# Altium PCB PCB_IC.PcbDoc (part 1 of 4) (continued)
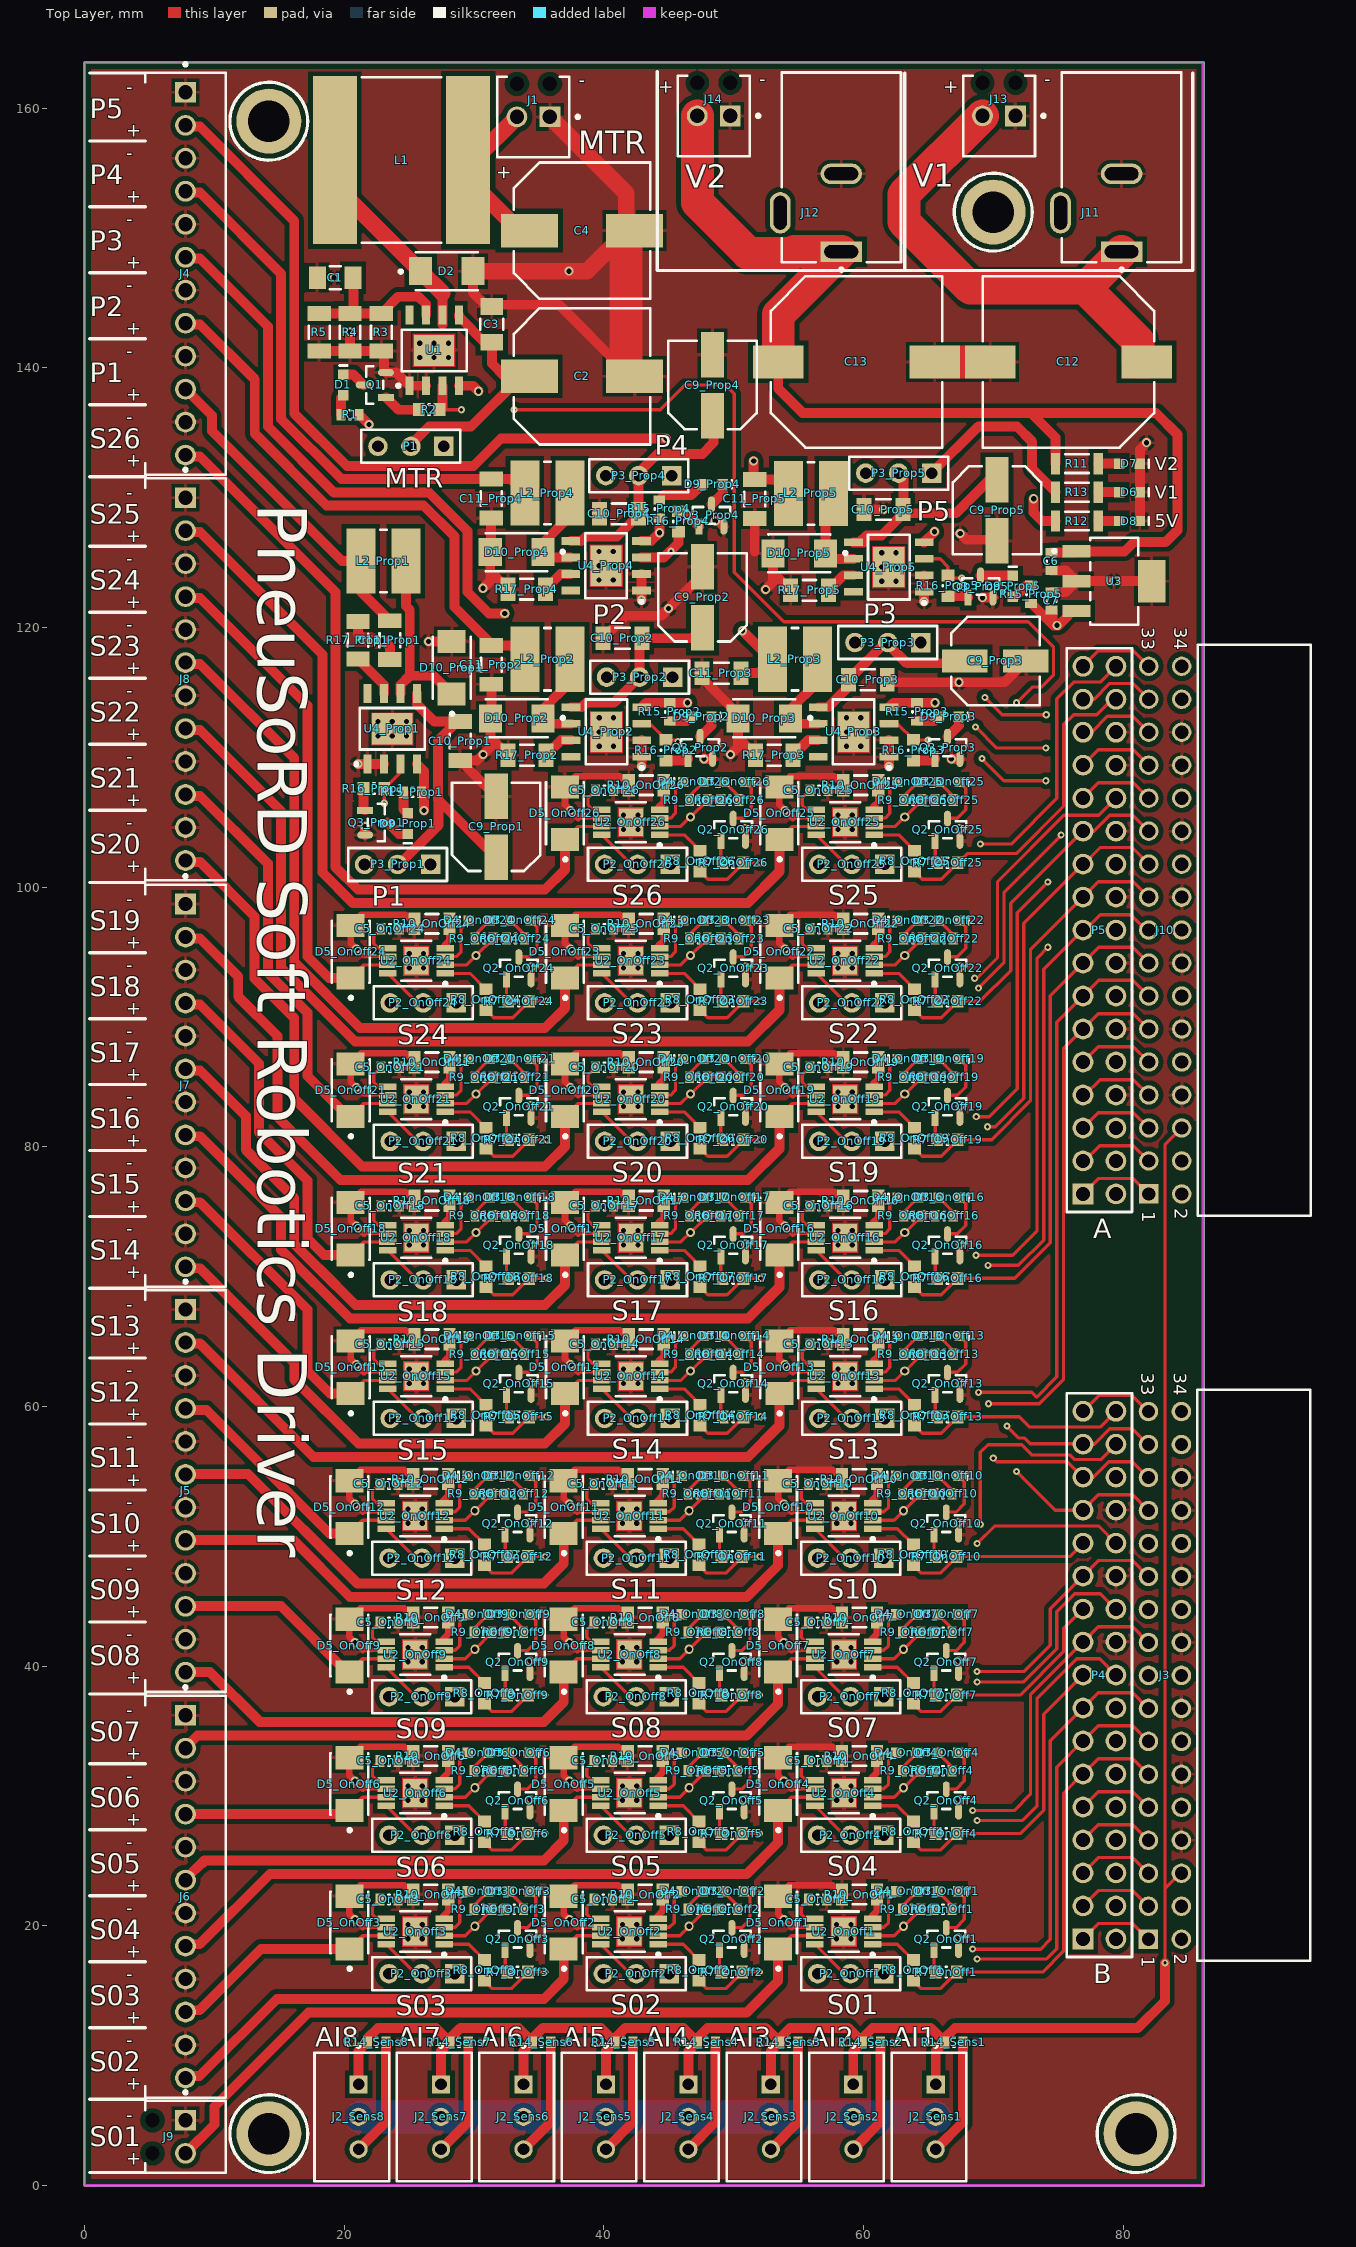
[diagram p0: Top Layer view]
## Classes and differential pairs
net class HC: +5 +12 +24 GND NetC1_1 NetC4_1 NetD2_1 NetD10_Prop1_1 NetD10_Prop2_1 NetD10_Prop3_1 NetD10_Prop4_1 NetD10_Prop5_1 NetR10_OnOff1_2 NetR10_OnOff2_2 NetR10_OnOff3_2 NetR10_OnOff4_2 NetR10_OnOff5_2 NetR10_OnOff6_2 NetR10_OnOff7_2 NetR10_OnOff8_2 NetR10_OnOff9_2 NetR10_OnOff10_2 NetR10_OnOff11_2 NetR10_OnOff12_2 NetR10_OnOff13_2 NetR10_OnOff14_2 NetR10_OnOff15_2 NetR10_OnOff16_2 NetR10_OnOff17_2 NetR10_OnOff18_2 NetR10_OnOff19_2 NetR10_OnOff20_2 NetR10_OnOff21_2 NetR10_OnOff22_2 NetR10_OnOff23_2 NetR10_OnOff24_2 NetR10_OnOff25_2 NetR10_OnOff26_2 NetR17_Prop1_2 NetR17_Prop2_2 NetR17_Prop3_2 NetR17_Prop4_2 NetR17_Prop5_2 SO1 SO2 SO3 SO4 SO5 SO6 SO7 SO8 SO9 SO10 SO11 SO12 SO13 SO14 SO15 SO16 SO17 SO18 SO19 SO20 SO21 SO22 SO23 SO24 SO25 SO26 SP1 SP2 SP3 SP4 SP5 Vcc Vcc_OnOff1 Vcc_OnOff2 Vcc_OnOff3 Vcc_OnOff4 Vcc_OnOff5 Vcc_OnOff6 Vcc_OnOff7 Vcc_OnOff8 Vcc_OnOff9 Vcc_OnOff10 Vcc_OnOff11 Vcc_OnOff12 Vcc_OnOff13 Vcc_OnOff14 Vcc_OnOff15 Vcc_OnOff16 Vcc_OnOff17 Vcc_OnOff18 Vcc_OnOff19 Vcc_OnOff20 Vcc_OnOff21 Vcc_OnOff22 Vcc_OnOff23 Vcc_OnOff24 Vcc_OnOff25 Vcc_OnOff26 Vcc_Prop1 Vcc_Prop2 Vcc_Prop3 Vcc_Prop4 Vcc_Prop5
channel class ProportionalSolenoid: Prop1 Prop2 Prop3 Prop4 Prop5
channel class PressureSensor: Sens1 Sens2 Sens3 Sens4 Sens5 Sens6 Sens7 Sens8
channel class OnOffSolenoid: OnOff1 OnOff2 OnOff3 OnOff4 OnOff5 OnOff6 OnOff7 OnOff8 OnOff9 OnOff10 OnOff11 OnOff12 OnOff13 OnOff14 OnOff15 OnOff16 OnOff17 OnOff18 OnOff19 OnOff20 OnOff21 OnOff22 OnOff23 OnOff24 OnOff25 OnOff26
net class SP[1..5]: SP1 SP2 SP3 SP4 SP5
net class SO[1..26]: SO1 SO2 SO3 SO4 SO5 SO6 SO7 SO8 SO9 SO10 SO11 SO12 SO13 SO14 SO15 SO16 SO17 SO18 SO19 SO20 SO21 SO22 SO23 SO24 SO25 SO26
net class PWM[1..5]: PWM1 PWM2 PWM3 PWM4 PWM5
net class DIO[1..26]: DIO1 DIO2 DIO3 DIO4 DIO5 DIO6 DIO7 DIO8 DIO9 DIO10 DIO11 DIO12 DIO13 DIO14 DIO15 DIO16 DIO17 DIO18 DIO19 DIO20 DIO21 DIO22 DIO23 DIO24 DIO25 DIO26
net class AI[1..8]: AI1 AI2 AI3 AI4 AI5 AI6 AI7 AI8
component class SoftRoboticsToolKit: C12 C13 J3 J4 J5 J6 J7 J8 J9 J10 J11 J12 J13 J14 P4 P5
component class Sens8: J2_Sens8 R14_Sens8
component class Sens7: J2_Sens7 R14_Sens7
component class Sens6: J2_Sens6 R14_Sens6
component class Sens5: J2_Sens5 R14_Sens5
component class Sens4: J2_Sens4 R14_Sens4
component class Sens3: J2_Sens3 R14_Sens3
component class Sens2: J2_Sens2 R14_Sens2
component class Sens1: J2_Sens1 R14_Sens1
component class Prop5: C9_Prop5 C10_Prop5 C11_Prop5 D9_Prop5 D10_Prop5 L2_Prop5 P3_Prop5 Q3_Prop5 R15_Prop5 R16_Prop5 R17_Prop5 U4_Prop5
component class Prop4: C9_Prop4 C10_Prop4 C11_Prop4 D9_Prop4 D10_Prop4 L2_Prop4 P3_Prop4 Q3_Prop4 R15_Prop4 R16_Prop4 R17_Prop4 U4_Prop4
component class Prop3: C9_Prop3 C10_Prop3 C11_Prop3 D9_Prop3 D10_Prop3 L2_Prop3 P3_Prop3 Q3_Prop3 R15_Prop3 R16_Prop3 R17_Prop3 U4_Prop3
component class Prop2: C9_Prop2 C10_Prop2 C11_Prop2 D9_Prop2 D10_Prop2 L2_Prop2 P3_Prop2 Q3_Prop2 R15_Prop2 R16_Prop2 R17_Prop2 U4_Prop2
component class Prop1: C9_Prop1 C10_Prop1 C11_Prop1 D9_Prop1 D10_Prop1 L2_Prop1 P3_Prop1 Q3_Prop1 R15_Prop1 R16_Prop1 R17_Prop1 U4_Prop1
component class PowerSuppply: C6 C7 D6 D7 D8 R11 R12 R13 U3
component class OnOff26: C5_OnOff26 D3_OnOff26 D4_OnOff26 D5_OnOff26 P2_OnOff26 Q2_OnOff26 R6_OnOff26 R7_OnOff26 R8_OnOff26 R9_OnOff26 R10_OnOff26 U2_OnOff26
component class OnOff25: C5_OnOff25 D3_OnOff25 D4_OnOff25 D5_OnOff25 P2_OnOff25 Q2_OnOff25 R6_OnOff25 R7_OnOff25 R8_OnOff25 R9_OnOff25 R10_OnOff25 U2_OnOff25
component class OnOff24: C5_OnOff24 D3_OnOff24 D4_OnOff24 D5_OnOff24 P2_OnOff24 Q2_OnOff24 R6_OnOff24 R7_OnOff24 R8_OnOff24 R9_OnOff24 R10_OnOff24 U2_OnOff24
component class OnOff23: C5_OnOff23 D3_OnOff23 D4_OnOff23 D5_OnOff23 P2_OnOff23 Q2_OnOff23 R6_OnOff23 R7_OnOff23 R8_OnOff23 R9_OnOff23 R10_OnOff23 U2_OnOff23
component class OnOff22: C5_OnOff22 D3_OnOff22 D4_OnOff22 D5_OnOff22 P2_OnOff22 Q2_OnOff22 R6_OnOff22 R7_OnOff22 R8_OnOff22 R9_OnOff22 R10_OnOff22 U2_OnOff22
component class OnOff21: C5_OnOff21 D3_OnOff21 D4_OnOff21 D5_OnOff21 P2_OnOff21 Q2_OnOff21 R6_OnOff21 R7_OnOff21 R8_OnOff21 R9_OnOff21 R10_OnOff21 U2_OnOff21
component class OnOff20: C5_OnOff20 D3_OnOff20 D4_OnOff20 D5_OnOff20 P2_OnOff20 Q2_OnOff20 R6_OnOff20 R7_OnOff20 R8_OnOff20 R9_OnOff20 R10_OnOff20 U2_OnOff20
component class OnOff19: C5_OnOff19 D3_OnOff19 D4_OnOff19 D5_OnOff19 P2_OnOff19 Q2_OnOff19 R6_OnOff19 R7_OnOff19 R8_OnOff19 R9_OnOff19 R10_OnOff19 U2_OnOff19
component class OnOff18: C5_OnOff18 D3_OnOff18 D4_OnOff18 D5_OnOff18 P2_OnOff18 Q2_OnOff18 R6_OnOff18 R7_OnOff18 R8_OnOff18 R9_OnOff18 R10_OnOff18 U2_OnOff18
component class OnOff17: C5_OnOff17 D3_OnOff17 D4_OnOff17 D5_OnOff17 P2_OnOff17 Q2_OnOff17 R6_OnOff17 R7_OnOff17 R8_OnOff17 R9_OnOff17 R10_OnOff17 U2_OnOff17
component class OnOff16: C5_OnOff16 D3_OnOff16 D4_OnOff16 D5_OnOff16 P2_OnOff16 Q2_OnOff16 R6_OnOff16 R7_OnOff16 R8_OnOff16 R9_OnOff16 R10_OnOff16 U2_OnOff16
component class OnOff15: C5_OnOff15 D3_OnOff15 D4_OnOff15 D5_OnOff15 P2_OnOff15 Q2_OnOff15 R6_OnOff15 R7_OnOff15 R8_OnOff15 R9_OnOff15 R10_OnOff15 U2_OnOff15
component class OnOff14: C5_OnOff14 D3_OnOff14 D4_OnOff14 D5_OnOff14 P2_OnOff14 Q2_OnOff14 R6_OnOff14 R7_OnOff14 R8_OnOff14 R9_OnOff14 R10_OnOff14 U2_OnOff14
component class OnOff13: C5_OnOff13 D3_OnOff13 D4_OnOff13 D5_OnOff13 P2_OnOff13 Q2_OnOff13 R6_OnOff13 R7_OnOff13 R8_OnOff13 R9_OnOff13 R10_OnOff13 U2_OnOff13
component class OnOff12: C5_OnOff12 D3_OnOff12 D4_OnOff12 D5_OnOff12 P2_OnOff12 Q2_OnOff12 R6_OnOff12 R7_OnOff12 R8_OnOff12 R9_OnOff12 R10_OnOff12 U2_OnOff12
component class OnOff11: C5_OnOff11 D3_OnOff11 D4_OnOff11 D5_OnOff11 P2_OnOff11 Q2_OnOff11 R6_OnOff11 R7_OnOff11 R8_OnOff11 R9_OnOff11 R10_OnOff11 U2_OnOff11
component class OnOff10: C5_OnOff10 D3_OnOff10 D4_OnOff10 D5_OnOff10 P2_OnOff10 Q2_OnOff10 R6_OnOff10 R7_OnOff10 R8_OnOff10 R9_OnOff10 R10_OnOff10 U2_OnOff10
component class OnOff9: C5_OnOff9 D3_OnOff9 D4_OnOff9 D5_OnOff9 P2_OnOff9 Q2_OnOff9 R6_OnOff9 R7_OnOff9 R8_OnOff9 R9_OnOff9 R10_OnOff9 U2_OnOff9
component class OnOff8: C5_OnOff8 D3_OnOff8 D4_OnOff8 D5_OnOff8 P2_OnOff8 Q2_OnOff8 R6_OnOff8 R7_OnOff8 R8_OnOff8 R9_OnOff8 R10_OnOff8 U2_OnOff8
component class OnOff7: C5_OnOff7 D3_OnOff7 D4_OnOff7 D5_OnOff7 P2_OnOff7 Q2_OnOff7 R6_OnOff7 R7_OnOff7 R8_OnOff7 R9_OnOff7 R10_OnOff7 U2_OnOff7
component class OnOff6: C5_OnOff6 D3_OnOff6 D4_OnOff6 D5_OnOff6 P2_OnOff6 Q2_OnOff6 R6_OnOff6 R7_OnOff6 R8_OnOff6 R9_OnOff6 R10_OnOff6 U2_OnOff6
component class OnOff5: C5_OnOff5 D3_OnOff5 D4_OnOff5 D5_OnOff5 P2_OnOff5 Q2_OnOff5 R6_OnOff5 R7_OnOff5 R8_OnOff5 R9_OnOff5 R10_OnOff5 U2_OnOff5
component class OnOff4: C5_OnOff4 D3_OnOff4 D4_OnOff4 D5_OnOff4 P2_OnOff4 Q2_OnOff4 R6_OnOff4 R7_OnOff4 R8_OnOff4 R9_OnOff4 R10_OnOff4 U2_OnOff4
component class OnOff3: C5_OnOff3 D3_OnOff3 D4_OnOff3 D5_OnOff3 P2_OnOff3 Q2_OnOff3 R6_OnOff3 R7_OnOff3 R8_OnOff3 R9_OnOff3 R10_OnOff3 U2_OnOff3
component class OnOff2: C5_OnOff2 D3_OnOff2 D4_OnOff2 D5_OnOff2 P2_OnOff2 Q2_OnOff2 R6_OnOff2 R7_OnOff2 R8_OnOff2 R9_OnOff2 R10_OnOff2 U2_OnOff2
component class OnOff1: C5_OnOff1 D3_OnOff1 D4_OnOff1 D5_OnOff1 P2_OnOff1 Q2_OnOff1 R6_OnOff1 R7_OnOff1 R8_OnOff1 R9_OnOff1 R10_OnOff1 U2_OnOff1
component class Designator: C1 C2 C3 C4 D1 D2 J1 L1 P1 Q1 R1 R2 R3 R4 R5 U1

## Components (designator, comment, footprint, x,y, rotation, side; value= is the part's Value field where it differs from the comment)
C1 "100nF 50V 1206" FP-CL31-IPC_B 19.313,146.947 r180 top
C2 "220uF 50V Poly" CAPAE127P600-8N 38.324,139.351 r0 top
C3 "100nF 50V 1206" FP-CL31-IPC_B 31.378,143.351 r90 top
C4 "220uF 50V Poly" CAPAE127P600-8N 38.324,150.571 r0 top
C5_OnOff1 "10nF 50V" CAPC0603(1608)100_L 56.472,22.033 r180 top value=10nF (schematic designator C5)
C5_OnOff2 "10nF 50V" CAPC0603(1608)100_L 39.962,22.033 r180 top value=10nF (schematic designator C5)
C5_OnOff3 "10nF 50V" CAPC0603(1608)100_L 23.452,22.033 r180 top value=10nF (schematic designator C5)
C5_OnOff4 "10nF 50V" CAPC0603(1608)100_L 56.472,32.701 r180 top value=10nF (schematic designator C5)
C5_OnOff5 "10nF 50V" CAPC0603(1608)100_L 39.962,32.701 r180 top value=10nF (schematic designator C5)
C5_OnOff6 "10nF 50V" CAPC0603(1608)100_L 23.452,32.701 r180 top value=10nF (schematic designator C5)
C5_OnOff7 "10nF 50V" CAPC0603(1608)100_L 56.472,43.369 r180 top value=10nF (schematic designator C5)
C5_OnOff8 "10nF 50V" CAPC0603(1608)100_L 39.962,43.369 r180 top value=10nF (schematic designator C5)
C5_OnOff9 "10nF 50V" CAPC0603(1608)100_L 23.452,43.369 r180 top value=10nF (schematic designator C5)
C5_OnOff10 "10nF 50V" CAPC0603(1608)100_L 56.472,54.037 r180 top value=10nF (schematic designator C5)
C5_OnOff11 "10nF 50V" CAPC0603(1608)100_L 39.962,54.037 r180 top value=10nF (schematic designator C5)
C5_OnOff12 "10nF 50V" CAPC0603(1608)100_L 23.452,54.037 r180 top value=10nF (schematic designator C5)
C5_OnOff13 "10nF 50V" CAPC0603(1608)100_L 56.568,64.801 r180 top value=10nF (schematic designator C5)
C5_OnOff14 "10nF 50V" CAPC0603(1608)100_L 40.058,64.801 r180 top value=10nF (schematic designator C5)
C5_OnOff15 "10nF 50V" CAPC0603(1608)100_L 23.548,64.801 r180 top value=10nF (schematic designator C5)
C5_OnOff16 "10nF 50V" CAPC0603(1608)100_L 56.568,75.469 r180 top value=10nF (schematic designator C5)
C5_OnOff17 "10nF 50V" CAPC0603(1608)100_L 40.058,75.469 r180 top value=10nF (schematic designator C5)
C5_OnOff18 "10nF 50V" CAPC0603(1608)100_L 23.548,75.469 r180 top value=10nF (schematic designator C5)
C5_OnOff19 "10nF 50V" CAPC0603(1608)100_L 56.568,86.137 r180 top value=10nF (schematic designator C5)
C5_OnOff20 "10nF 50V" CAPC0603(1608)100_L 40.058,86.137 r180 top value=10nF (schematic designator C5)
C5_OnOff21 "10nF 50V" CAPC0603(1608)100_L 23.548,86.137 r180 top value=10nF (schematic designator C5)
C5_OnOff22 "10nF 50V" CAPC0603(1608)100_L 56.568,96.805 r180 top value=10nF (schematic designator C5)
C5_OnOff23 "10nF 50V" CAPC0603(1608)100_L 40.058,96.805 r180 top value=10nF (schematic designator C5)
C5_OnOff24 "10nF 50V" CAPC0603(1608)100_L 23.548,96.805 r180 top value=10nF (schematic designator C5)
C5_OnOff25 "10nF 50V" CAPC0603(1608)100_L 56.568,107.473 r180 top value=10nF (schematic designator C5)
C5_OnOff26 "10nF 50V" CAPC0603(1608)100_L 40.058,107.473 r180 top value=10nF (schematic designator C5)
C6 "330nF 50V" CAPC0603(1608)100_L 74.477,125.095 r90 top value=330nF
C7 "1uF 50V" CAPC0603(1608)100_L 74.477,122.047 r90 top value=1uF
C9_Prop1 "47uF 50V AuPoly" EEH-ZA1H220P 31.708,104.648 r90 top (schematic designator C9)
C9_Prop2 "47uF 50V AuPoly" EEH-ZA1H220P 47.6,122.322 r90 top (schematic designator C9)
C9_Prop3 "47uF 50V AuPoly" EEH-ZA1H220P 70.164,117.424 r0 top (schematic designator C9)
C9_Prop4 "47uF 50V AuPoly" EEH-ZA1H220P 48.37,138.675 r90 top (schematic designator C9)
C9_Prop5 "47uF 50V AuPoly" EEH-ZA1H220P 70.291,129.032 r270 top (schematic designator C9)
C10_Prop1 "10uF 50V 1206" CAPC1206(3216)190_N 28.94,111.261 r90 top value=10uF (schematic designator C10)
C10_Prop2 "10uF 50V 1206" CAPC1206(3216)190_N 41.436,119.177 r0 top value=10uF (schematic designator C10)
C10_Prop3 "10uF 50V 1206" CAPC1206(3216)190_N 60.334,115.984 r180 top value=10uF (schematic designator C10)
C10_Prop4 "10uF 50V 1206" CAPC1206(3216)190_N 41.182,128.753 r0 top value=10uF (schematic designator C10)
C10_Prop5 "10uF 50V 1206" CAPC1206(3216)190_N 61.543,129.089 r0 top value=10uF (schematic designator C10)
C11_Prop1 "10uF 50V 1206" CAPC1206(3216)190_N 23.522,119.026 r90 top value=10uF (schematic designator C11)
C11_Prop2 "10uF 50V 1206" CAPC1206(3216)190_N 31.346,117.132 r90 top value=10uF (schematic designator C11)
C11_Prop3 "10uF 50V 1206" CAPC1206(3216)190_N 49.056,116.484 r0 top value=10uF (schematic designator C11)
C11_Prop4 "10uF 50V 1206" CAPC1206(3216)190_N 31.327,129.928 r90 top value=10uF (schematic designator C11)
C11_Prop5 "10uF 50V 1206" CAPC1206(3216)190_N 51.63,129.909 r90 top value=10uF (schematic designator C11)
C12 "470uF 50V AuPoly" CAPAE137130X163M 75.787,140.462 r180 top
C13 "470uF 50V AuPoly" CAPAE137130X163M 59.464,140.462 r0 top
D1 "LED Green" 0603_A 19.948,138.684 r270 top
D2 "SK34A" FP-DO-214AC-MFG 27.912,147.447 r0 top
D3_OnOff1 "LED Green" 0603_A 66.505,22.668 r180 top (schematic designator D3)
D3_OnOff2 "LED Green" 0603_A 49.995,22.668 r180 top (schematic designator D3)
D3_OnOff3 "LED Green" 0603_A 33.485,22.668 r180 top (schematic designator D3)
D3_OnOff4 "LED Green" 0603_A 66.505,33.336 r180 top (schematic designator D3)
D3_OnOff5 "LED Green" 0603_A 49.995,33.336 r180 top (schematic designator D3)
D3_OnOff6 "LED Green" 0603_A 33.485,33.336 r180 top (schematic designator D3)
D3_OnOff7 "LED Green" 0603_A 66.505,44.004 r180 top (schematic designator D3)
D3_OnOff8 "LED Green" 0603_A 49.995,44.004 r180 top (schematic designator D3)
D3_OnOff9 "LED Green" 0603_A 33.485,44.004 r180 top (schematic designator D3)
D3_OnOff10 "LED Green" 0603_A 66.505,54.672 r180 top (schematic designator D3)
D3_OnOff11 "LED Green" 0603_A 49.995,54.672 r180 top (schematic designator D3)
D3_OnOff12 "LED Green" 0603_A 33.485,54.672 r180 top (schematic designator D3)
D3_OnOff13 "LED Green" 0603_A 66.601,65.436 r180 top (schematic designator D3)
D3_OnOff14 "LED Green" 0603_A 50.091,65.436 r180 top (schematic designator D3)
D3_OnOff15 "LED Green" 0603_A 33.581,65.436 r180 top (schematic designator D3)
D3_OnOff16 "LED Green" 0603_A 66.601,76.104 r180 top (schematic designator D3)
D3_OnOff17 "LED Green" 0603_A 50.091,76.104 r180 top (schematic designator D3)
D3_OnOff18 "LED Green" 0603_A 33.581,76.104 r180 top (schematic designator D3)
D3_OnOff19 "LED Green" 0603_A 66.601,86.772 r180 top (schematic designator D3)
D3_OnOff20 "LED Green" 0603_A 50.091,86.772 r180 top (schematic designator D3)
D3_OnOff21 "LED Green" 0603_A 33.581,86.772 r180 top (schematic designator D3)
D3_OnOff22 "LED Green" 0603_A 66.601,97.44 r180 top (schematic designator D3)
D3_OnOff23 "LED Green" 0603_A 50.091,97.44 r180 top (schematic designator D3)
D3_OnOff24 "LED Green" 0603_A 33.581,97.44 r180 top (schematic designator D3)
D3_OnOff25 "LED Green" 0603_A 66.601,108.108 r180 top (schematic designator D3)
D3_OnOff26 "LED Green" 0603_A 50.091,108.108 r180 top (schematic designator D3)
D4_OnOff1 "LED Red" 0603_A 63.33,22.668 r0 top (schematic designator D4)
D4_OnOff2 "LED Red" 0603_A 46.82,22.668 r0 top (schematic designator D4)
D4_OnOff3 "LED Red" 0603_A 30.31,22.668 r0 top (schematic designator D4)
D4_OnOff4 "LED Red" 0603_A 63.33,33.336 r0 top (schematic designator D4)
D4_OnOff5 "LED Red" 0603_A 46.82,33.336 r0 top (schematic designator D4)
D4_OnOff6 "LED Red" 0603_A 30.31,33.336 r0 top (schematic designator D4)
D4_OnOff7 "LED Red" 0603_A 63.33,44.004 r0 top (schematic designator D4)
D4_OnOff8 "LED Red" 0603_A 46.82,44.004 r0 top (schematic designator D4)
D4_OnOff9 "LED Red" 0603_A 30.31,44.004 r0 top (schematic designator D4)
D4_OnOff10 "LED Red" 0603_A 63.33,54.672 r0 top (schematic designator D4)
D4_OnOff11 "LED Red" 0603_A 46.82,54.672 r0 top (schematic designator D4)
D4_OnOff12 "LED Red" 0603_A 30.31,54.672 r0 top (schematic designator D4)
D4_OnOff13 "LED Red" 0603_A 63.426,65.436 r0 top (schematic designator D4)
D4_OnOff14 "LED Red" 0603_A 46.916,65.436 r0 top (schematic designator D4)
D4_OnOff15 "LED Red" 0603_A 30.406,65.436 r0 top (schematic designator D4)
D4_OnOff16 "LED Red" 0603_A 63.426,76.104 r0 top (schematic designator D4)
D4_OnOff17 "LED Red" 0603_A 46.916,76.104 r0 top (schematic designator D4)
D4_OnOff18 "LED Red" 0603_A 30.406,76.104 r0 top (schematic designator D4)
D4_OnOff19 "LED Red" 0603_A 63.426,86.772 r0 top (schematic designator D4)
D4_OnOff20 "LED Red" 0603_A 46.916,86.772 r0 top (schematic designator D4)
D4_OnOff21 "LED Red" 0603_A 30.406,86.772 r0 top (schematic designator D4)
D4_OnOff22 "LED Red" 0603_A 63.426,97.44 r0 top (schematic designator D4)
D4_OnOff23 "LED Red" 0603_A 46.916,97.44 r0 top (schematic designator D4)
D4_OnOff24 "LED Red" 0603_A 30.406,97.44 r0 top (schematic designator D4)
D4_OnOff25 "LED Red" 0603_A 63.426,108.108 r0 top (schematic designator D4)
D4_OnOff26 "LED Red" 0603_A 46.916,108.108 r0 top (schematic designator D4)
D5_OnOff1 "SK34A" FP-DO-214AC-MFG 53.424,20.255 r90 top (schematic designator D5)
D5_OnOff2 "SK34A" FP-DO-214AC-MFG 36.914,20.255 r90 top (schematic designator D5)
D5_OnOff3 "SK34A" FP-DO-214AC-MFG 20.404,20.255 r90 top (schematic designator D5)
D5_OnOff4 "SK34A" FP-DO-214AC-MFG 53.424,30.923 r90 top (schematic designator D5)
D5_OnOff5 "SK34A" FP-DO-214AC-MFG 36.914,30.923 r90 top (schematic designator D5)
D5_OnOff6 "SK34A" FP-DO-214AC-MFG 20.404,30.923 r90 top (schematic designator D5)
D5_OnOff7 "SK34A" FP-DO-214AC-MFG 53.424,41.591 r90 top (schematic designator D5)
D5_OnOff8 "SK34A" FP-DO-214AC-MFG 36.914,41.591 r90 top (schematic designator D5)
D5_OnOff9 "SK34A" FP-DO-214AC-MFG 20.404,41.591 r90 top (schematic designator D5)
D5_OnOff10 "SK34A" FP-DO-214AC-MFG 53.424,52.259 r90 top (schematic designator D5)
D5_OnOff11 "SK34A" FP-DO-214AC-MFG 36.914,52.259 r90 top (schematic designator D5)
D5_OnOff12 "SK34A" FP-DO-214AC-MFG 20.404,52.259 r90 top (schematic designator D5)
D5_OnOff13 "SK34A" FP-DO-214AC-MFG 53.52,63.023 r90 top (schematic designator D5)
D5_OnOff14 "SK34A" FP-DO-214AC-MFG 37.01,63.023 r90 top (schematic designator D5)
D5_OnOff15 "SK34A" FP-DO-214AC-MFG 20.5,63.023 r90 top (schematic designator D5)
D5_OnOff16 "SK34A" FP-DO-214AC-MFG 53.52,73.691 r90 top (schematic designator D5)
D5_OnOff17 "SK34A" FP-DO-214AC-MFG 37.01,73.691 r90 top (schematic designator D5)
D5_OnOff18 "SK34A" FP-DO-214AC-MFG 20.5,73.691 r90 top (schematic designator D5)
D5_OnOff19 "SK34A" FP-DO-214AC-MFG 53.52,84.359 r90 top (schematic designator D5)
D5_OnOff20 "SK34A" FP-DO-214AC-MFG 37.01,84.359 r90 top (schematic designator D5)
D5_OnOff21 "SK34A" FP-DO-214AC-MFG 20.5,84.359 r90 top (schematic designator D5)
D5_OnOff22 "SK34A" FP-DO-214AC-MFG 53.52,95.027 r90 top (schematic designator D5)
D5_OnOff23 "SK34A" FP-DO-214AC-MFG 37.01,95.027 r90 top (schematic designator D5)
D5_OnOff24 "SK34A" FP-DO-214AC-MFG 20.5,95.027 r90 top (schematic designator D5)
D5_OnOff25 "SK34A" FP-DO-214AC-MFG 53.52,105.695 r90 top (schematic designator D5)
D5_OnOff26 "SK34A" FP-DO-214AC-MFG 37.01,105.695 r90 top (schematic designator D5)
D6 "LED Green" 0603_A 80.489,130.429 r180 top
D7 "LED Green" 0603_A 80.489,132.626 r180 top
D8 "LED Green" 0603_A 80.489,128.206 r180 top
D9_Prop1 "LED Green" 0603_A 24.887,104.9 r90 top (schematic designator D9)
D9_Prop2 "LED Green" 0603_A 47.5,113.137 r180 top (schematic designator D9)
D9_Prop3 "LED Green" 0603_A 66.55,113.137 r180 top (schematic designator D9)
D9_Prop4 "LED Green" 0603_A 48.371,131.039 r180 top (schematic designator D9)
D9_Prop5 "LED Green" 0603_A 71.51,123.187 r270 top (schematic designator D9)
D10_Prop1 "SK34A" FP-DO-214AC-MFG 28.286,116.904 r90 top (schematic designator D10)
D10_Prop2 "SK34A" FP-DO-214AC-MFG 33.302,113.01 r180 top (schematic designator D10)
D10_Prop3 "SK34A" FP-DO-214AC-MFG 52.352,113.01 r180 top (schematic designator D10)
D10_Prop4 "SK34A" FP-DO-214AC-MFG 33.283,125.806 r180 top (schematic designator D10)
D10_Prop5 "SK34A" FP-DO-214AC-MFG 55.059,125.711 r180 top (schematic designator D10)
J1 "1725656" PHOE-1725656-2 34.578,159.334 r180 top
J2_Sens1 "B3B-XH-A(LF)(SN)" FP-B3B-XH-A_LF_SN-MFG 65.041,5.294 r270 top (schematic designator J2)
J2_Sens2 "B3B-XH-A(LF)(SN)" FP-B3B-XH-A_LF_SN-MFG 58.691,5.294 r270 top (schematic designator J2)
J2_Sens3 "B3B-XH-A(LF)(SN)" FP-B3B-XH-A_LF_SN-MFG 52.341,5.294 r270 top (schematic designator J2)
J2_Sens4 "B3B-XH-A(LF)(SN)" FP-B3B-XH-A_LF_SN-MFG 45.991,5.294 r270 top (schematic designator J2)
J2_Sens5 "B3B-XH-A(LF)(SN)" FP-B3B-XH-A_LF_SN-MFG 39.641,5.294 r270 top (schematic designator J2)
J2_Sens6 "B3B-XH-A(LF)(SN)" FP-B3B-XH-A_LF_SN-MFG 33.291,5.294 r270 top (schematic designator J2)
J2_Sens7 "B3B-XH-A(LF)(SN)" FP-B3B-XH-A_LF_SN-MFG 26.941,5.294 r270 top (schematic designator J2)
J2_Sens8 "B3B-XH-A(LF)(SN)" FP-B3B-XH-A_LF_SN-MFG 20.591,5.294 r270 top (schematic designator J2)
J3 "WE-CN-2P-F-R34" 613034243121 76.285,39.039 r270 top
J4 "Phoenix Contact 1725753" PHOE-1725656-12 7.781,159.953 r270 top
J5 "Phoenix Contact 1725753" PHOE-1725656-12 7.784,66.205 r270 top
J6 "Phoenix Contact 1725753" PHOE-1725656-12 7.781,34.955 r270 top
J7 "Phoenix Contact 1725753" PHOE-1725656-12 7.781,97.43 r270 top
J8 "Phoenix Contact 1725753" PHOE-1725656-12 7.781,128.73 r270 top
J9 "1725656" PHOE-1725656-2 7.782,3.755 r270 top
J10 "WE-CN-2P-F-R34" 613034243121 76.311,96.444 r270 top
J11 "PJ-102A" FP-PJ-102A-MFG 79.883,155.448 r0 top
J12 "PJ-102A" FP-PJ-102A-MFG 58.293,155.448 r0 top
J13 "1725656" PHOE-1725656-2 70.443,159.41 r180 top
J14 "1725656" PHOE-1725656-2 48.472,159.41 r180 top
L1 "470uH" L1212 24.425,156 r0 top
L2_Prop1 "100uH" L0404 23.022,125.122 r180 top (schematic designator L2)
L2_Prop2 "100uH" L0404 35.677,117.558 r180 top (schematic designator L2)
L2_Prop3 "100uH" L0404 54.714,117.558 r180 top (schematic designator L2)
L2_Prop4 "100uH" L0404 35.651,130.354 r180 top (schematic designator L2)
L2_Prop5 "100uH" L0404 55.954,130.335 r180 top (schematic designator L2)
P1 "Header 3" HDR1X3 27.684,133.96 r180 top
P2_OnOff1 "Header 3" HDR1X3 61.552,16.318 r180 top (schematic designator P2)
P2_OnOff2 "Header 3" HDR1X3 45.042,16.318 r180 top (schematic designator P2)
P2_OnOff3 "Header 3" HDR1X3 28.532,16.318 r180 top (schematic designator P2)
P2_OnOff4 "Header 3" HDR1X3 61.552,26.986 r180 top (schematic designator P2)
P2_OnOff5 "Header 3" HDR1X3 45.042,26.986 r180 top (schematic designator P2)
P2_OnOff6 "Header 3" HDR1X3 28.532,26.986 r180 top (schematic designator P2)
P2_OnOff7 "Header 3" HDR1X3 61.552,37.654 r180 top (schematic designator P2)
P2_OnOff8 "Header 3" HDR1X3 45.042,37.654 r180 top (schematic designator P2)
P2_OnOff9 "Header 3" HDR1X3 28.532,37.654 r180 top (schematic designator P2)
P2_OnOff10 "Header 3" HDR1X3 61.552,48.322 r180 top (schematic designator P2)
P2_OnOff11 "Header 3" HDR1X3 45.042,48.322 r180 top (schematic designator P2)
P2_OnOff12 "Header 3" HDR1X3 28.532,48.322 r180 top (schematic designator P2)
P2_OnOff13 "Header 3" HDR1X3 61.648,59.086 r180 top (schematic designator P2)
P2_OnOff14 "Header 3" HDR1X3 45.138,59.086 r180 top (schematic designator P2)
P2_OnOff15 "Header 3" HDR1X3 28.628,59.086 r180 top (schematic designator P2)
P2_OnOff16 "Header 3" HDR1X3 61.648,69.754 r180 top (schematic designator P2)
P2_OnOff17 "Header 3" HDR1X3 45.138,69.754 r180 top (schematic designator P2)
P2_OnOff18 "Header 3" HDR1X3 28.628,69.754 r180 top (schematic designator P2)
P2_OnOff19 "Header 3" HDR1X3 61.648,80.422 r180 top (schematic designator P2)
P2_OnOff20 "Header 3" HDR1X3 45.138,80.422 r180 top (schematic designator P2)
P2_OnOff21 "Header 3" HDR1X3 28.628,80.422 r180 top (schematic designator P2)
P2_OnOff22 "Header 3" HDR1X3 61.648,91.09 r180 top (schematic designator P2)
P2_OnOff23 "Header 3" HDR1X3 45.138,91.09 r180 top (schematic designator P2)
P2_OnOff24 "Header 3" HDR1X3 28.628,91.09 r180 top (schematic designator P2)
P2_OnOff25 "Header 3" HDR1X3 61.648,101.758 r180 top (schematic designator P2)
P2_OnOff26 "Header 3" HDR1X3 45.138,101.758 r180 top (schematic designator P2)
P3_Prop1 "Header 3" HDR1X3 26.657,101.752 r180 top (schematic designator P3)
P3_Prop2 "Header 3" HDR1X3 45.297,116.18 r180 top (schematic designator P3)
P3_Prop3 "Header 3" HDR1X3 64.423,118.847 r180 top (schematic designator P3)
P3_Prop4 "Header 3" HDR1X3 45.232,131.699 r180 top (schematic designator P3)
P3_Prop5 "Header 3" HDR1X3 65.254,131.891 r180 top (schematic designator P3)
P4 "PHT-117-01-L-D" PHT-117-01-L-D 76.907,19 r270 top
P5 "PHT-117-01-L-D" PHT-117-01-L-D 76.907,76.378 r270 top
Q1 "BC846BLT3G" FP-318-08-IPC_C 22.361,138.684 r180 top
Q2_OnOff1 "BC846BLT3G" FP-318-08-IPC_C 66.378,18.985 r90 top (schematic designator Q2)
Q2_OnOff2 "BC846BLT3G" FP-318-08-IPC_C 49.868,18.985 r90 top (schematic designator Q2)
Q2_OnOff3 "BC846BLT3G" FP-318-08-IPC_C 33.358,18.985 r90 top (schematic designator Q2)
Q2_OnOff4 "BC846BLT3G" FP-318-08-IPC_C 66.378,29.653 r90 top (schematic designator Q2)
Q2_OnOff5 "BC846BLT3G" FP-318-08-IPC_C 49.868,29.653 r90 top (schematic designator Q2)
Q2_OnOff6 "BC846BLT3G" FP-318-08-IPC_C 33.358,29.653 r90 top (schematic designator Q2)
Q2_OnOff7 "BC846BLT3G" FP-318-08-IPC_C 66.378,40.321 r90 top (schematic designator Q2)
Q2_OnOff8 "BC846BLT3G" FP-318-08-IPC_C 49.868,40.321 r90 top (schematic designator Q2)
Q2_OnOff9 "BC846BLT3G" FP-318-08-IPC_C 33.358,40.321 r90 top (schematic designator Q2)
Q2_OnOff10 "BC846BLT3G" FP-318-08-IPC_C 66.378,50.989 r90 top (schematic designator Q2)
Q2_OnOff11 "BC846BLT3G" FP-318-08-IPC_C 49.868,50.989 r90 top (schematic designator Q2)
Q2_OnOff12 "BC846BLT3G" FP-318-08-IPC_C 33.358,50.989 r90 top (schematic designator Q2)
Q2_OnOff13 "BC846BLT3G" FP-318-08-IPC_C 66.474,61.753 r90 top (schematic designator Q2)
Q2_OnOff14 "BC846BLT3G" FP-318-08-IPC_C 49.964,61.753 r90 top (schematic designator Q2)
Q2_OnOff15 "BC846BLT3G" FP-318-08-IPC_C 33.454,61.753 r90 top (schematic designator Q2)
Q2_OnOff16 "BC846BLT3G" FP-318-08-IPC_C 66.474,72.421 r90 top (schematic designator Q2)
Q2_OnOff17 "BC846BLT3G" FP-318-08-IPC_C 49.964,72.421 r90 top (schematic designator Q2)
Q2_OnOff18 "BC846BLT3G" FP-318-08-IPC_C 33.454,72.421 r90 top (schematic designator Q2)
Q2_OnOff19 "BC846BLT3G" FP-318-08-IPC_C 66.474,83.089 r90 top (schematic designator Q2)
Q2_OnOff20 "BC846BLT3G" FP-318-08-IPC_C 49.964,83.089 r90 top (schematic designator Q2)
Q2_OnOff21 "BC846BLT3G" FP-318-08-IPC_C 33.454,83.089 r90 top (schematic designator Q2)
Q2_OnOff22 "BC846BLT3G" FP-318-08-IPC_C 66.474,93.757 r90 top (schematic designator Q2)
Q2_OnOff23 "BC846BLT3G" FP-318-08-IPC_C 49.964,93.757 r90 top (schematic designator Q2)
Q2_OnOff24 "BC846BLT3G" FP-318-08-IPC_C 33.454,93.757 r90 top (schematic designator Q2)
Q2_OnOff25 "BC846BLT3G" FP-318-08-IPC_C 66.474,104.425 r90 top (schematic designator Q2)
Q2_OnOff26 "BC846BLT3G" FP-318-08-IPC_C 49.964,104.425 r90 top (schematic designator Q2)
Q3_Prop1 "BC846BLT3G" FP-318-08-IPC_C 22.482,104.977 r0 top (schematic designator Q3)
Q3_Prop2 "BC846BLT3G" FP-318-08-IPC_C 47.424,110.732 r90 top (schematic designator Q3)
Q3_Prop3 "BC846BLT3G" FP-318-08-IPC_C 66.474,110.732 r90 top (schematic designator Q3)
Q3_Prop4 "BC846BLT3G" FP-318-08-IPC_C 48.294,128.633 r90 top (schematic designator Q3)
Q3_Prop5 "BC846BLT3G" FP-318-08-IPC_C 69.021,123.161 r90 top (schematic designator Q3)
R1 "500R" RESC0603(1608)_L 20.456,136.398 r0 top value="510.00 Ohm"
R2 "10K" RESC0603(1608)_N 26.552,136.779 r180 top value="10000.00 Ohm"
R3 "1R 1206" RESC1206(3216)_N 22.869,142.748 r90 top value="1.20 Ohm"
R4 "1R 1206" RESC1206(3216)_N 20.456,142.748 r90 top value="1.20 Ohm"
R5 "1R 1206" RESC1206(3216)_N 18.083,142.74 r90 top value="1.20 Ohm"
R6_OnOff1 "500R" RESC0603(1608)_L 66.124,21.271 r180 top value="510.00 Ohm" (schematic designator R6)
R6_OnOff2 "500R" RESC0603(1608)_L 49.614,21.271 r180 top value="510.00 Ohm" (schematic designator R6)
R6_OnOff3 "500R" RESC0603(1608)_L 33.104,21.271 r180 top value="510.00 Ohm" (schematic designator R6)
R6_OnOff4 "500R" RESC0603(1608)_L 66.124,31.939 r180 top value="510.00 Ohm" (schematic designator R6)
R6_OnOff5 "500R" RESC0603(1608)_L 49.614,31.939 r180 top value="510.00 Ohm" (schematic designator R6)
R6_OnOff6 "500R" RESC0603(1608)_L 33.104,31.939 r180 top value="510.00 Ohm" (schematic designator R6)
R6_OnOff7 "500R" RESC0603(1608)_L 66.124,42.607 r180 top value="510.00 Ohm" (schematic designator R6)
R6_OnOff8 "500R" RESC0603(1608)_L 49.614,42.607 r180 top value="510.00 Ohm" (schematic designator R6)
R6_OnOff9 "500R" RESC0603(1608)_L 33.104,42.607 r180 top value="510.00 Ohm" (schematic designator R6)
R6_OnOff10 "500R" RESC0603(1608)_L 66.124,53.275 r180 top value="510.00 Ohm" (schematic designator R6)
R6_OnOff11 "500R" RESC0603(1608)_L 49.614,53.275 r180 top value="510.00 Ohm" (schematic designator R6)
R6_OnOff12 "500R" RESC0603(1608)_L 33.104,53.275 r180 top value="510.00 Ohm" (schematic designator R6)
R6_OnOff13 "500R" RESC0603(1608)_L 66.22,64.039 r180 top value="510.00 Ohm" (schematic designator R6)
R6_OnOff14 "500R" RESC0603(1608)_L 49.71,64.039 r180 top value="510.00 Ohm" (schematic designator R6)
R6_OnOff15 "500R" RESC0603(1608)_L 33.2,64.039 r180 top value="510.00 Ohm" (schematic designator R6)
R6_OnOff16 "500R" RESC0603(1608)_L 66.22,74.707 r180 top value="510.00 Ohm" (schematic designator R6)
R6_OnOff17 "500R" RESC0603(1608)_L 49.71,74.707 r180 top value="510.00 Ohm" (schematic designator R6)
R6_OnOff18 "500R" RESC0603(1608)_L 33.2,74.707 r180 top value="510.00 Ohm" (schematic designator R6)
R6_OnOff19 "500R" RESC0603(1608)_L 66.22,85.375 r180 top value="510.00 Ohm" (schematic designator R6)
R6_OnOff20 "500R" RESC0603(1608)_L 49.71,85.375 r180 top value="510.00 Ohm" (schematic designator R6)
R6_OnOff21 "500R" RESC0603(1608)_L 33.2,85.375 r180 top value="510.00 Ohm" (schematic designator R6)
R6_OnOff22 "500R" RESC0603(1608)_L 66.22,96.043 r180 top value="510.00 Ohm" (schematic designator R6)
R6_OnOff23 "500R" RESC0603(1608)_L 49.71,96.043 r180 top value="510.00 Ohm" (schematic designator R6)
R6_OnOff24 "500R" RESC0603(1608)_L 33.2,96.043 r180 top value="510.00 Ohm" (schematic designator R6)
R6_OnOff25 "500R" RESC0603(1608)_L 66.22,106.711 r180 top value="510.00 Ohm" (schematic designator R6)
R6_OnOff26 "500R" RESC0603(1608)_L 49.71,106.711 r180 top value="510.00 Ohm" (schematic designator R6)
R7_OnOff1 "10K" RESC0603(1608)_N 66.378,16.445 r180 top value="10000.00 Ohm" (schematic designator R7)
R7_OnOff2 "10K" RESC0603(1608)_N 49.868,16.445 r180 top value="10000.00 Ohm" (schematic designator R7)
R7_OnOff3 "10K" RESC0603(1608)_N 33.358,16.445 r180 top value="10000.00 Ohm" (schematic designator R7)
R7_OnOff4 "10K" RESC0603(1608)_N 66.378,27.113 r180 top value="10000.00 Ohm" (schematic designator R7)
R7_OnOff5 "10K" RESC0603(1608)_N 49.868,27.113 r180 top value="10000.00 Ohm" (schematic designator R7)
R7_OnOff6 "10K" RESC0603(1608)_N 33.358,27.113 r180 top value="10000.00 Ohm" (schematic designator R7)
R7_OnOff7 "10K" RESC0603(1608)_N 66.378,37.781 r180 top value="10000.00 Ohm" (schematic designator R7)
R7_OnOff8 "10K" RESC0603(1608)_N 49.868,37.781 r180 top value="10000.00 Ohm" (schematic designator R7)
R7_OnOff9 "10K" RESC0603(1608)_N 33.358,37.781 r180 top value="10000.00 Ohm" (schematic designator R7)
R7_OnOff10 "10K" RESC0603(1608)_N 66.378,48.449 r180 top value="10000.00 Ohm" (schematic designator R7)
R7_OnOff11 "10K" RESC0603(1608)_N 49.868,48.449 r180 top value="10000.00 Ohm" (schematic designator R7)
R7_OnOff12 "10K" RESC0603(1608)_N 33.358,48.449 r180 top value="10000.00 Ohm" (schematic designator R7)
R7_OnOff13 "10K" RESC0603(1608)_N 66.474,59.213 r180 top value="10000.00 Ohm" (schematic designator R7)
R7_OnOff14 "10K" RESC0603(1608)_N 49.964,59.213 r180 top value="10000.00 Ohm" (schematic designator R7)
R7_OnOff15 "10K" RESC0603(1608)_N 33.454,59.213 r180 top value="10000.00 Ohm" (schematic designator R7)
R7_OnOff16 "10K" RESC0603(1608)_N 66.474,69.881 r180 top value="10000.00 Ohm" (schematic designator R7)
R7_OnOff17 "10K" RESC0603(1608)_N 49.964,69.881 r180 top value="10000.00 Ohm" (schematic designator R7)
R7_OnOff18 "10K" RESC0603(1608)_N 33.454,69.881 r180 top value="10000.00 Ohm" (schematic designator R7)
R7_OnOff19 "10K" RESC0603(1608)_N 66.474,80.549 r180 top value="10000.00 Ohm" (schematic designator R7)
R7_OnOff20 "10K" RESC0603(1608)_N 49.964,80.549 r180 top value="10000.00 Ohm" (schematic designator R7)
R7_OnOff21 "10K" RESC0603(1608)_N 33.454,80.549 r180 top value="10000.00 Ohm" (schematic designator R7)
R7_OnOff22 "10K" RESC0603(1608)_N 66.474,91.217 r180 top value="10000.00 Ohm" (schematic designator R7)
R7_OnOff23 "10K" RESC0603(1608)_N 49.964,91.217 r180 top value="10000.00 Ohm" (schematic designator R7)
R7_OnOff24 "10K" RESC0603(1608)_N 33.454,91.217 r180 top value="10000.00 Ohm" (schematic designator R7)
R7_OnOff25 "10K" RESC0603(1608)_N 66.474,101.885 r180 top value="10000.00 Ohm" (schematic designator R7)
R7_OnOff26 "10K" RESC0603(1608)_N 49.964,101.885 r180 top value="10000.00 Ohm" (schematic designator R7)
R8_OnOff1 "10K" RESC0603(1608)_N 63.838,16.572 r90 top value="10000.00 Ohm" (schematic designator R8)
R8_OnOff2 "10K" RESC0603(1608)_N 47.328,16.572 r90 top value="10000.00 Ohm" (schematic designator R8)
R8_OnOff3 "10K" RESC0603(1608)_N 30.818,16.572 r90 top value="10000.00 Ohm" (schematic designator R8)
R8_OnOff4 "10K" RESC0603(1608)_N 63.838,27.24 r90 top value="10000.00 Ohm" (schematic designator R8)
R8_OnOff5 "10K" RESC0603(1608)_N 47.328,27.24 r90 top value="10000.00 Ohm" (schematic designator R8)
R8_OnOff6 "10K" RESC0603(1608)_N 30.818,27.24 r90 top value="10000.00 Ohm" (schematic designator R8)
R8_OnOff7 "10K" RESC0603(1608)_N 63.838,37.908 r90 top value="10000.00 Ohm" (schematic designator R8)
R8_OnOff8 "10K" RESC0603(1608)_N 47.328,37.908 r90 top value="10000.00 Ohm" (schematic designator R8)
R8_OnOff9 "10K" RESC0603(1608)_N 30.818,37.908 r90 top value="10000.00 Ohm" (schematic designator R8)
R8_OnOff10 "10K" RESC0603(1608)_N 63.838,48.576 r90 top value="10000.00 Ohm" (schematic designator R8)
R8_OnOff11 "10K" RESC0603(1608)_N 47.328,48.576 r90 top value="10000.00 Ohm" (schematic designator R8)
R8_OnOff12 "10K" RESC0603(1608)_N 30.818,48.576 r90 top value="10000.00 Ohm" (schematic designator R8)
R8_OnOff13 "10K" RESC0603(1608)_N 63.934,59.34 r90 top value="10000.00 Ohm" (schematic designator R8)
R8_OnOff14 "10K" RESC0603(1608)_N 47.424,59.34 r90 top value="10000.00 Ohm" (schematic designator R8)
R8_OnOff15 "10K" RESC0603(1608)_N 30.914,59.34 r90 top value="10000.00 Ohm" (schematic designator R8)
R8_OnOff16 "10K" RESC0603(1608)_N 63.934,70.008 r90 top value="10000.00 Ohm" (schematic designator R8)
R8_OnOff17 "10K" RESC0603(1608)_N 47.424,70.008 r90 top value="10000.00 Ohm" (schematic designator R8)
R8_OnOff18 "10K" RESC0603(1608)_N 30.914,70.008 r90 top value="10000.00 Ohm" (schematic designator R8)
R8_OnOff19 "10K" RESC0603(1608)_N 63.934,80.676 r90 top value="10000.00 Ohm" (schematic designator R8)
R8_OnOff20 "10K" RESC0603(1608)_N 47.424,80.676 r90 top value="10000.00 Ohm" (schematic designator R8)
R8_OnOff21 "10K" RESC0603(1608)_N 30.914,80.676 r90 top value="10000.00 Ohm" (schematic designator R8)
R8_OnOff22 "10K" RESC0603(1608)_N 63.934,91.344 r90 top value="10000.00 Ohm" (schematic designator R8)
R8_OnOff23 "10K" RESC0603(1608)_N 47.424,91.344 r90 top value="10000.00 Ohm" (schematic designator R8)
R8_OnOff24 "10K" RESC0603(1608)_N 30.914,91.344 r90 top value="10000.00 Ohm" (schematic designator R8)
R8_OnOff25 "10K" RESC0603(1608)_N 63.934,102.012 r90 top value="10000.00 Ohm" (schematic designator R8)
R8_OnOff26 "10K" RESC0603(1608)_N 47.424,102.012 r90 top value="10000.00 Ohm" (schematic designator R8)
R9_OnOff1 "500R" RESC0603(1608)_L 63.711,21.271 r0 top value="510.00 Ohm" (schematic designator R9)
R9_OnOff2 "500R" RESC0603(1608)_L 47.201,21.271 r0 top value="510.00 Ohm" (schematic designator R9)
R9_OnOff3 "500R" RESC0603(1608)_L 30.691,21.271 r0 top value="510.00 Ohm" (schematic designator R9)
R9_OnOff4 "500R" RESC0603(1608)_L 63.711,31.939 r0 top value="510.00 Ohm" (schematic designator R9)
R9_OnOff5 "500R" RESC0603(1608)_L 47.201,31.939 r0 top value="510.00 Ohm" (schematic designator R9)
R9_OnOff6 "500R" RESC0603(1608)_L 30.691,31.939 r0 top value="510.00 Ohm" (schematic designator R9)
R9_OnOff7 "500R" RESC0603(1608)_L 63.711,42.607 r0 top value="510.00 Ohm" (schematic designator R9)
R9_OnOff8 "500R" RESC0603(1608)_L 47.201,42.607 r0 top value="510.00 Ohm" (schematic designator R9)
R9_OnOff9 "500R" RESC0603(1608)_L 30.691,42.607 r0 top value="510.00 Ohm" (schematic designator R9)
R9_OnOff10 "500R" RESC0603(1608)_L 63.711,53.275 r0 top value="510.00 Ohm" (schematic designator R9)
R9_OnOff11 "500R" RESC0603(1608)_L 47.201,53.275 r0 top value="510.00 Ohm" (schematic designator R9)
R9_OnOff12 "500R" RESC0603(1608)_L 30.691,53.275 r0 top value="510.00 Ohm" (schematic designator R9)
R9_OnOff13 "500R" RESC0603(1608)_L 63.807,64.039 r0 top value="510.00 Ohm" (schematic designator R9)
R9_OnOff14 "500R" RESC0603(1608)_L 47.297,64.039 r0 top value="510.00 Ohm" (schematic designator R9)
R9_OnOff15 "500R" RESC0603(1608)_L 30.787,64.039 r0 top value="510.00 Ohm" (schematic designator R9)
R9_OnOff16 "500R" RESC0603(1608)_L 63.807,74.707 r0 top value="510.00 Ohm" (schematic designator R9)
R9_OnOff17 "500R" RESC0603(1608)_L 47.297,74.707 r0 top value="510.00 Ohm" (schematic designator R9)
R9_OnOff18 "500R" RESC0603(1608)_L 30.787,74.707 r0 top value="510.00 Ohm" (schematic designator R9)
R9_OnOff19 "500R" RESC0603(1608)_L 63.807,85.375 r0 top value="510.00 Ohm" (schematic designator R9)
R9_OnOff20 "500R" RESC0603(1608)_L 47.297,85.375 r0 top value="510.00 Ohm" (schematic designator R9)
R9_OnOff21 "500R" RESC0603(1608)_L 30.787,85.375 r0 top value="510.00 Ohm" (schematic designator R9)
R9_OnOff22 "500R" RESC0603(1608)_L 63.807,96.043 r0 top value="510.00 Ohm" (schematic designator R9)
R9_OnOff23 "500R" RESC0603(1608)_L 47.297,96.043 r0 top value="510.00 Ohm" (schematic designator R9)
R9_OnOff24 "500R" RESC0603(1608)_L 30.787,96.043 r0 top value="510.00 Ohm" (schematic designator R9)
R9_OnOff25 "500R" RESC0603(1608)_L 63.807,106.711 r0 top value="510.00 Ohm" (schematic designator R9)
R9_OnOff26 "500R" RESC0603(1608)_L 47.297,106.711 r0 top value="510.00 Ohm" (schematic designator R9)
R10_OnOff1 "960R 1206" RESC1206(3216)_L 59.694,22.414 r0 top value="953.00 Ohm" (schematic designator R10)
R10_OnOff2 "960R 1206" RESC1206(3216)_L 43.184,22.414 r0 top value="953.00 Ohm" (schematic designator R10)
R10_OnOff3 "960R 1206" RESC1206(3216)_L 26.674,22.414 r0 top value="953.00 Ohm" (schematic designator R10)
R10_OnOff4 "960R 1206" RESC1206(3216)_L 59.694,33.082 r0 top value="953.00 Ohm" (schematic designator R10)
R10_OnOff5 "960R 1206" RESC1206(3216)_L 43.184,33.082 r0 top value="953.00 Ohm" (schematic designator R10)
R10_OnOff6 "960R 1206" RESC1206(3216)_L 26.674,33.082 r0 top value="953.00 Ohm" (schematic designator R10)
R10_OnOff7 "960R 1206" RESC1206(3216)_L 59.694,43.75 r0 top value="953.00 Ohm" (schematic designator R10)
R10_OnOff8 "960R 1206" RESC1206(3216)_L 43.184,43.75 r0 top value="953.00 Ohm" (schematic designator R10)
R10_OnOff9 "960R 1206" RESC1206(3216)_L 26.674,43.75 r0 top value="953.00 Ohm" (schematic designator R10)
R10_OnOff10 "960R 1206" RESC1206(3216)_L 59.694,54.418 r0 top value="953.00 Ohm" (schematic designator R10)
R10_OnOff11 "960R 1206" RESC1206(3216)_L 43.184,54.418 r0 top value="953.00 Ohm" (schematic designator R10)
R10_OnOff12 "960R 1206" RESC1206(3216)_L 26.674,54.418 r0 top value="953.00 Ohm" (schematic designator R10)
R10_OnOff13 "960R 1206" RESC1206(3216)_L 59.79,65.182 r0 top value="953.00 Ohm" (schematic designator R10)
R10_OnOff14 "960R 1206" RESC1206(3216)_L 43.28,65.182 r0 top value="953.00 Ohm" (schematic designator R10)
R10_OnOff15 "960R 1206" RESC1206(3216)_L 26.77,65.182 r0 top value="953.00 Ohm" (schematic designator R10)
R10_OnOff16 "960R 1206" RESC1206(3216)_L 59.79,75.85 r0 top value="953.00 Ohm" (schematic designator R10)
R10_OnOff17 "960R 1206" RESC1206(3216)_L 43.28,75.85 r0 top value="953.00 Ohm" (schematic designator R10)
R10_OnOff18 "960R 1206" RESC1206(3216)_L 26.77,75.85 r0 top value="953.00 Ohm" (schematic designator R10)
R10_OnOff19 "960R 1206" RESC1206(3216)_L 59.79,86.518 r0 top value="953.00 Ohm" (schematic designator R10)
R10_OnOff20 "960R 1206" RESC1206(3216)_L 43.28,86.518 r0 top value="953.00 Ohm" (schematic designator R10)